# Altium PCB Calipso V2.0 REV2.0 (new origin).PcbDoc (part 2 of 5)
Units mm, origin at the board's own origin, x right, y up, seen from the top; angles counter-clockwise.
Board outline 192.5 x 156.5 mm, 2 copper layers (Top Layer, Bottom Layer); 458 components, 353 nets, 1610 pads, 1543 vias.
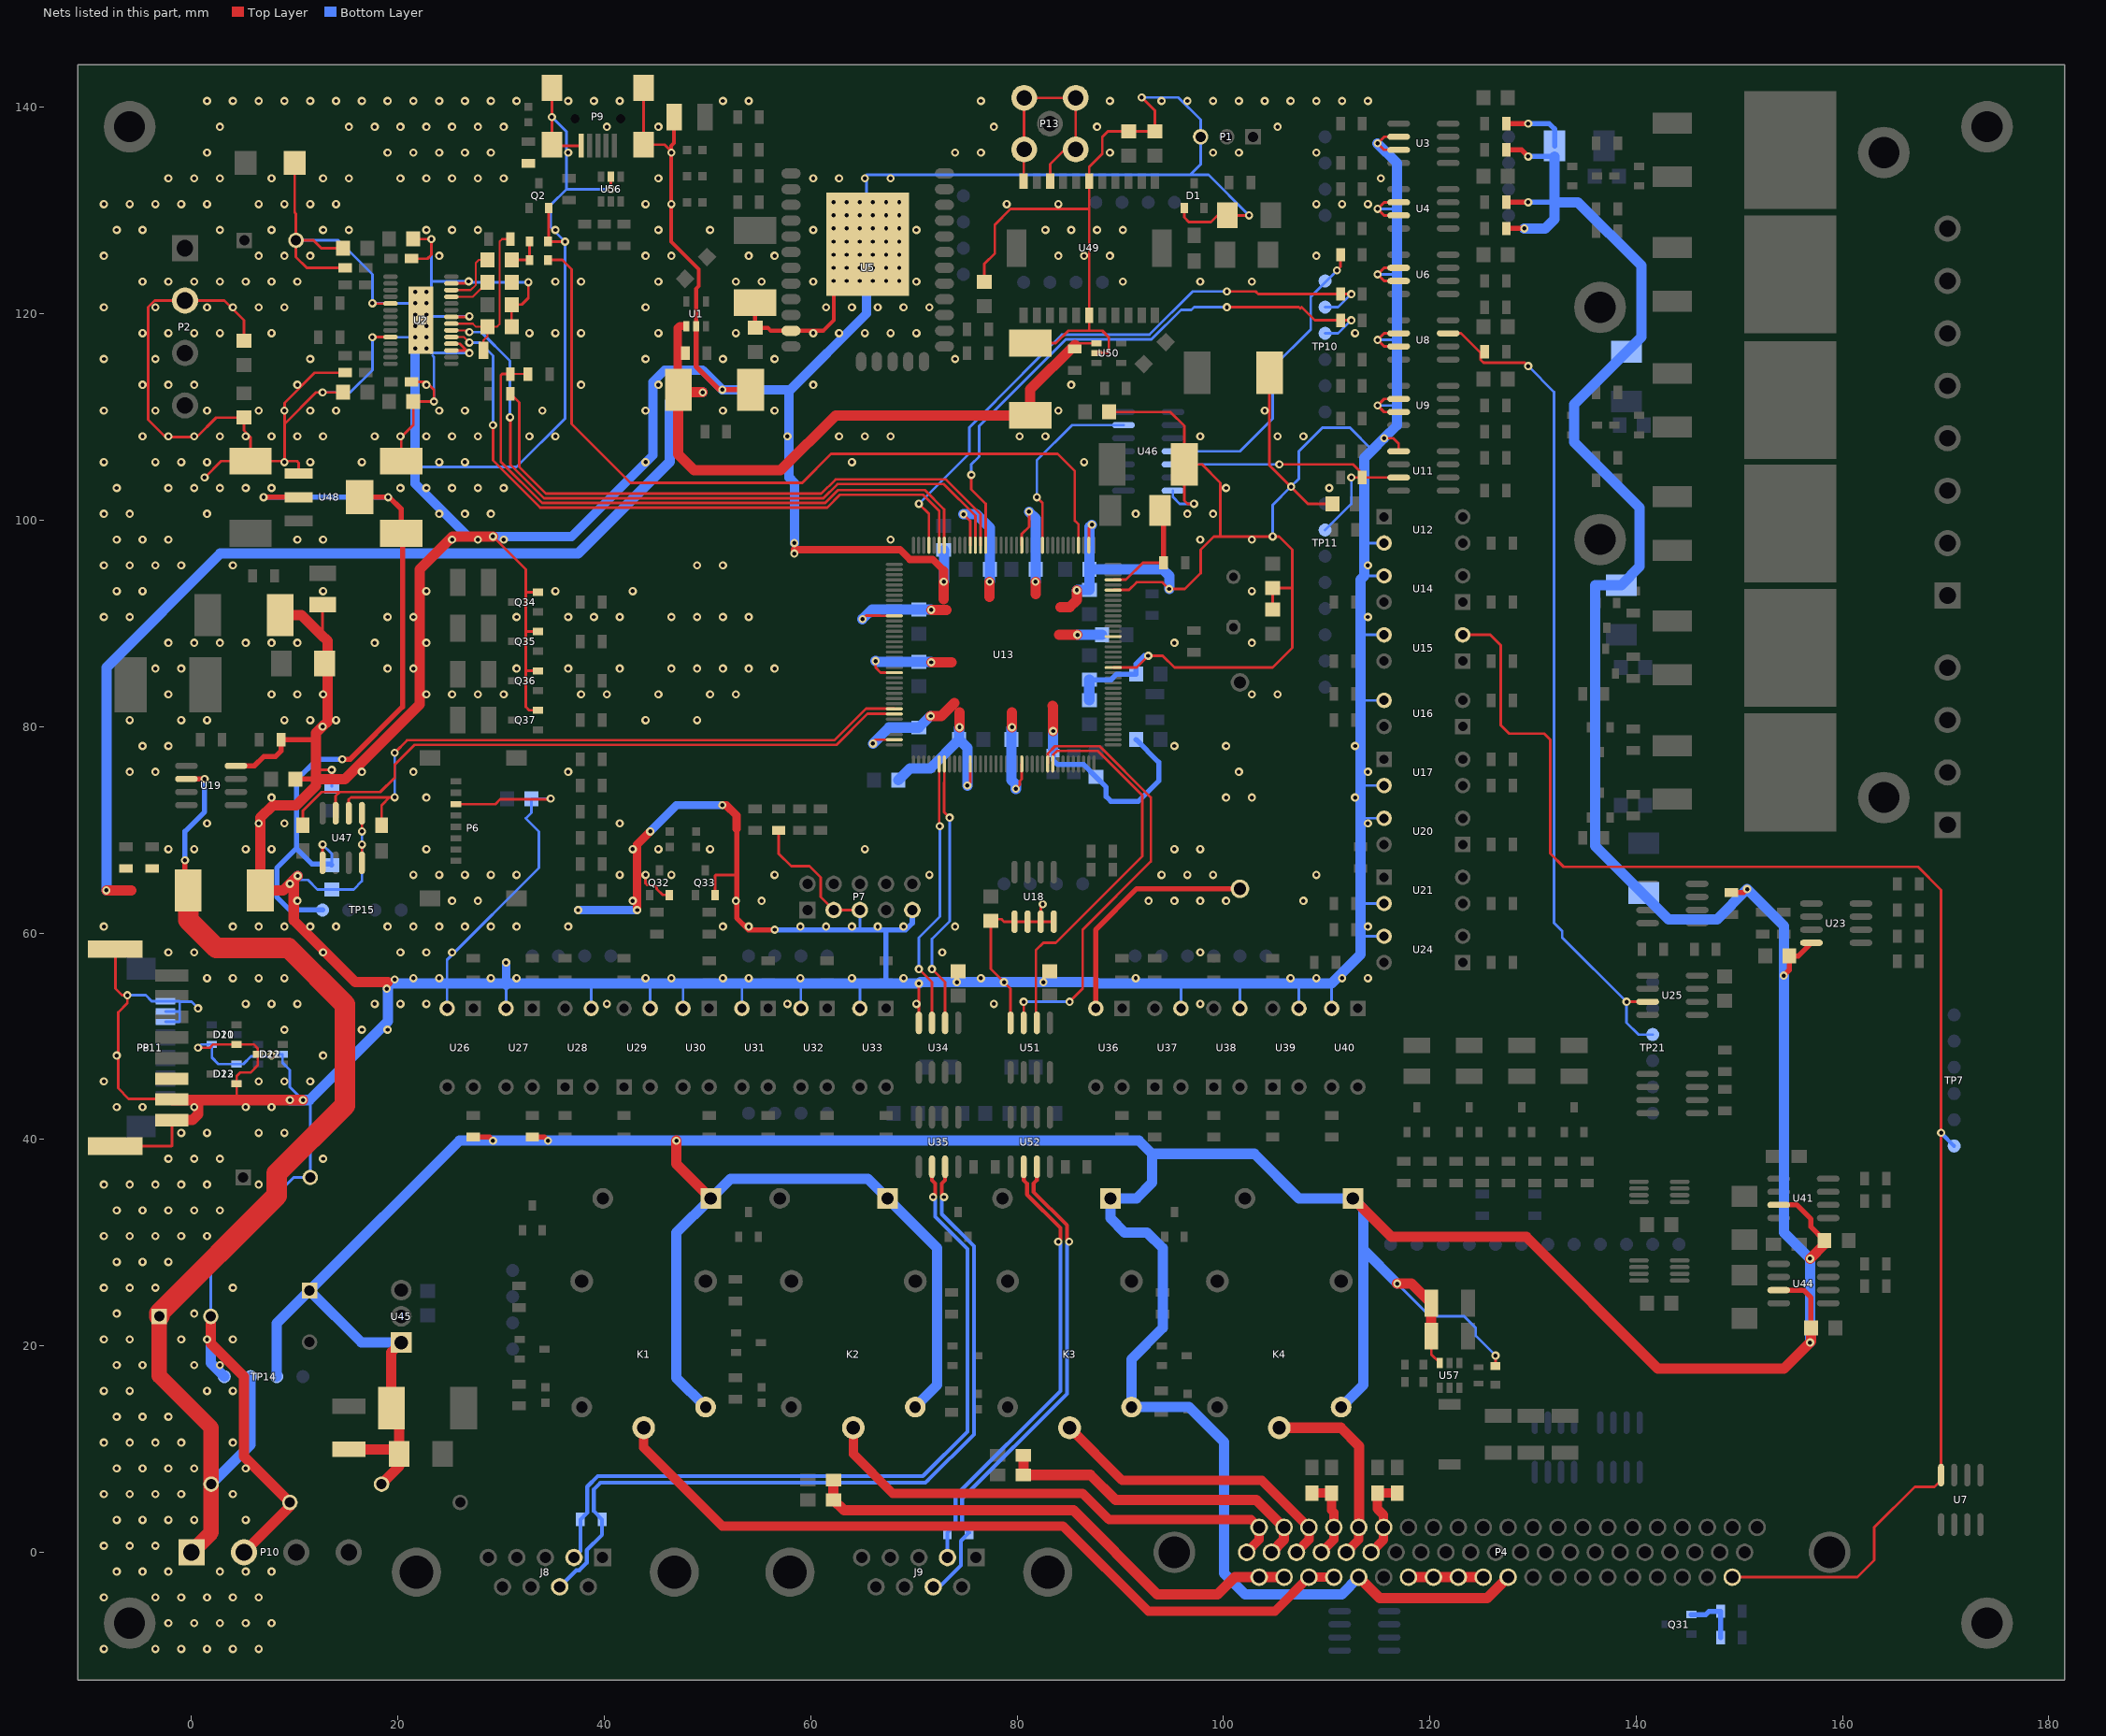
[diagram p2: the nets of this part, all layers, seen from the top]

## Part data
BOOT1 GPS1 R107 R163 R164 R165 WIFI1: "Chip resistor"
C1 C4 C6 C7 C8 C10 C11 C12 C13 C14 C15 C16 C17 C20 C21 C23 C24 C25 C26 C27 C29 C30 C31 C32 C33 C35 C36 C37 C38 C42 C43 C44 C45 C46 C47 C48 C49 C50 C51 C52 C53 C54 C55 C56 C57 C58 C59 C60 C61 C62 C63 C68 C69 C70 C71 C72 C73 C74 C75 C76 C77 C78 C79 C80: "Surface-mount ceramic multilayer capacitor"
C2 C5 C19 C22 C28 C41 C64 C65 C66 C67: library part "Cap Pol Chip", "Polarized Capacitor (Radial)"
C3: "Polarized Capacitor (Radial) Very low impedance"
C9 C18: library part "ChipCap 0.47uF X7R", "Surface-mount ceramic multilayer capacitor"
C34 C39 C40: "Polarized Capacitor (Radial)"
C81 C82 C83 C84: library part "ChipCap 1000 X7R", "Surface-mount ceramic multilayer capacitor"
C85: library part "ChipCap 0.1uF X7R", "Surface-mount ceramic multilayer capacitor"
C86 C87: library part "ChipCap 10uF X7R", "Surface-mount ceramic multilayer capacitor"
C88 C89 C90: library part "ChipCap 22uF X7R", "Surface-mount ceramic multilayer capacitor"
D1 D10 D12 D21 D23: "Small signal schottky dual diode"
D2: "Transient Voltage Suppressor 600W bi-directional"
D4 D13 D14 D20: "Transient Voltage Suppressor 600W uni-directional"
D6 D9: "Schottky diode"
D11 D22: "Low capacitance bidirectional double ESD protection diode"
D15 D16 D17 D18: "1 Amp General Purpose Rectifier"
F2: library part "Fuse PTC1812", "Fuse PTC 1812 Thermoresistor"
FB1 FB2: library part "Ferrite Bead"
J8 J9: "Receptacle Assembly, 9 Position, Right Angle"
K1 K2 K3 K4: library part "Relay G5LE", "Relay G5LE 10A Single Pole"
L1 L2 L4 L5 L6 L7 L8 L9 L10: library part ChipInductance
LED1 LED2 LED3 LED4 LED5 LED6 LED7 LED8 LED9 LED10 LED11 LED12 LED13 LED14 LED15 LINK1 PWR1 RUN1 "STM PWR 1" "WIFI PWR 1": library part LED0603
P1: library part "Header 3 latch", "Header 3 with latch"
P2 P5 P10: library part Socket_4x5.08_RA_2Wall, "Terminal Block Socket Right Angle 4x5.08mm 2-Wall"
P3: library part Socket_8x5.08_RA_2Wall, "Terminal Block Socket Right Angle 8x5.08mm 2-Wall"
P4: "Dsub 62 Mail"
P6: library part MicroSDHeader8
P9: library part miniUSB
P13: "SMB Straight Connector"
Q1 Q6 Q9 Q12 Q14 Q16: "HEXFET N-Channel Power MOSFET"
Q2: "SOT23 NPN Silicon Planar General Purpose Transistor"
Q4 Q10 Q15 Q18 Q23 Q24 Q25 Q26 Q27 Q28 Q29 Q30 Q32 Q33 Q34 Q35 Q36 Q37: "NPN transistor"
Q5 Q11 Q13 Q17 Q19 Q20 Q21 Q22 Q31: "PNP Transistor"
R1 R2 R3 R4 R5 R6 R7 R8 R9 R10 R11 R12 R13 R14 R15 R16 R17 R18 R19 R20 R21 R22 R23 R24 R25 R26 R27 R28 R29 R30 R31 R32 R33 R34 R35 R36 R37 R38 R39 R40 R41 R42 R43 R44 R45 R46 R47 R48 R49 R50 R51 R52 R53 R54 R55 R56 R57 R58 R59 R60 R61 R62 R63 R64 R65 R66 R67 R68 R69 R70 R71 R72 R73 R74 R75 R76 R77 R78 R79 R80 R81 R82 R83 R84 R85 R86 R87 R88 R89 R90 R91 R92 R93 R94 R95 R96 R97 R98 R99 R100 R101 R102 R103 R104 R105 R106 R108 R109 R110 R111 R112 R113 R114 R115 R116 R117 R118 R119 R120 R121 R122 R123 R124 R125 R126 R127 R128 R129 R130 R131 R132 R133 R134 R135 R136 R137 R138 R139 R140 R141 R142 R143 R144 R145 R146 R148 R149 R150 R151 R152 R153 R154 R155 R156 R157 R158 R159 R160 R161 R162 R166 R167 R168: "Think Film Chip resistor"
R147: library part "RES0805 100R 1%", "Think Film Chip resistor"
RU1 RU2: library part "Varistor S14K25", "varistor"
TP1 TP2 TP3 TP4 TP6 TP11 TP12 TP13 TP14 TP15 TP16 TP17 TP18 TP20: library part PG-1.5-13.5-4P-2.54PH
TP5 TP7 TP8 TP9 TP10 TP21: library part PG-1.5-13.5-6P-2.54PH
U1 U50: library part LM3671MF, "600-mA Step-Down DC-DC Converter"
U2: "25-W filter-free mono class-D audio power amplifier with speaker guard"
U3 U4 U6 U8 U9 U11: "2-channel opto-coupler"
U5: library part SPWF01, "Serial-to-Wi-Fi b/g/n intelligent module"
U7 U10 U53 U54: "Transil Array for ESD protection"
U12 U14 U15 U16 U17 U20 U21 U24 U26 U27 U28 U29 U30 U31 U32 U33 U36 U37 U38 U39 U40: "4-Pin Phototransistor Optocoupler"
U13: library part STM32F407ZGT6, "ST Microcontroller ARM 32-bit Cortex M4"
U18: "256 Kbit I2C EEPROM"
U19: "DC/DC converter control circuit"
U22: "Adjustable Precision Shunt Regulator"
U23: "Dual Operational Amplifier"
U25 U55: library part TLC6515, "10-bit analog to digiyal converter"
U34 U47 U51: library part HCPL-0931-000E, "2-bit bi-direction optoisolated buffer"
U35 U52: library part MCP2551-I/SN, "CAN Transceiver"
U41 U44: "Operational Amplifier"
U42 U43: "SAR 12-bit Analog-to-Digital  (A/D)"
U45: "Linear voltage regulator 1A"
U46: "Hex Inverter"
U48: "Power Mgt Voltage Regulator"
U49: library part ML8088, "GPS Receiver"
U56: "Protection 6V 10A"
U57: "3A Synchronous Step-Down Voltage Regulator"
X1: library part "Crystall oscillator", "Quartz crystall oscillator"
X2: library part KX-327NHT, "Quartz crystal oscillator 32.768kHz"

## Free pads (board coordinates)
  round 5 hole 3: H(-6,-6.87) H(-6,138.13) H(136.5,98.13) H(136.5,120.63) H(164,73.13) H(164,135.63) H(174,-6.87) H(174,138.13)

## Via types
v1: diameter 0.8, hole 0.4, Top Layer to Bottom Layer, tented both sides, 1527 vias
v2: diameter 0.8, hole 0.4, Top Layer to Bottom Layer, 12 vias
v3: diameter 1.5, hole 1, Top Layer to Bottom Layer, 2 vias
v4: diameter 3, hole 2, Top Layer to Bottom Layer, 2 vias

## Nets (pads, with @x,y where several pads share a name; then routed paths per layer and width w, separated by ;. In a path a pad name is that pad's centre, name@x,y a point inside that pad or via, vN(x,y) a via of type N, cw(c..) or ccw(c..) an arc to the next point about the centre after c; other vN are vias at no path point)
0: P13.2 U49.20 U49.22 | length 22.8
  Top Layer w0.254: U49.22@80.645,133.119 80.645,136.144 80.685,136.184 P13.2@80.685,141.184 ; P13.2@80.685,140.93 P13.2@85.685,140.93 P13.2@85.685,135.93 84.622,135.93 83.208,134.516 U49.20@83.208,132.865
5V: C2.1 C28.1 C39.1 C66.1 P10.1 R1.2 R70.1 R71.1 R141.2 RU1.2 TP14.3 U1.1 U19.6 U50.1 | length 268.3
  Top Layer w0.254: 85.758,117.155 U50.1@87.7,117.155
  Top Layer w0.381: 47.625,118.815 U1.1@47.945,118.815
  Top Layer w0.5: U19.6@-0.895,74.93 v1(1.27,74.93) ; v1(-0.635,67.056) -0.635,64.445 C28.1@-0.325,64.135
  Top Layer w0.8: C2.1@47.12,114.427 47.12,118.621 47.314,118.815 47.625,118.815
  Top Layer w1: v1(-8.255,64.135) -5.842,64.135 ; v1(49.53,112.395) 47.427,112.395 C2.1@47.173,112.649 47.173,106.37 48.704,104.838 57.087,104.838 62.413,110.165 C66.1@81.28,110.165 81.28,112.677 R141.2@85.598,116.995
  Top Layer w1.5: C39.1@-3.135,22.86 -3.135,17.105 1.905,12.065 RU1.2@1.905,6.604 1.905,1.905 P10.1@0,0
  Top Layer w2: C39.1@-3.135,22.86 -3.135,23.154 8.255,34.544 8.255,36.703 14.859,43.307 14.859,53.086 9.398,58.547 2.413,58.547 -0.325,61.285 C28.1@-0.325,64.135
  Bottom Layer w0.5: v1(-0.635,67.056) -0.635,69.85 1.27,71.755 v1(1.27,74.93)
  Bottom Layer w1: v1(-8.255,64.135) -8.255,85.725 2.794,96.774 37.465,96.774 46.355,105.664 46.355,111.506 47.244,112.395 v1(49.53,112.395) ; RU1.2@1.905,6.604 5.715,10.414 TP14.3@5.715,17.018
12V: C32.2 C36.1 C38.1 C40.1 C41.1 C86.1 C87.1 D15.2 D16.2 D17.2 D18.2 D20.1 F2.1 K1.5 K2.5 K3.5 K4.5 L6.1 L7.2 L8.2 L9.2 P4.47 P4.53 R3.1 R5.2 R14.2 R17.1 R77.2 R106.2 R107.2 R166.2 RU2.2 TP14.2 U23.8 U41.7 U44.7 U45.1 U57.3 | length 603.5
  Top Layer w0.254: C87.1@120.145,20.955 120.145,19.17 U57.3@120.97,18.345 ; R166.2@126.365,18.045 v1(126.365,19.05)
  Top Layer w0.5: R106.2@27.305,40.225 28.864,40.225 v1(29.211,39.878) ; R107.2@33.021,40.225 34.198,40.225 v1(34.545,39.878) ; R17.1@127.79,128.27 v1(129.159,128.27) ; R14.2@127.79,130.81 v1(129.54,130.81) ; R5.2@127.79,135.89 128.905,135.89 v1(129.54,135.255) ; R3.1@127.79,138.43 v1(129.54,138.43) ; R77.2@149.225,63.915 150.402,63.915 v1(150.749,64.262) ; U44.7@153.81,25.4 156.21,25.4 156.94,24.67 C38.1@156.94,22.225 ; U41.7@153.81,33.655 155.575,33.655 156.94,32.29 156.94,31.528 C36.1@158.242,30.226 ; v1(154.305,55.88) 154.845,56.42 C32.2@154.845,57.785 155.715,57.785 U23.8@156.985,59.055
  Top Layer w1: F2.1@15.24,9.965 19.685,9.965 D20.1@20.125,9.525 ; RU2.2@18.415,6.604 20.125,8.314 D20.1@20.125,9.525 ; U45.1@20.32,20.32 19.36,19.36 C41.1@19.36,13.97 20.125,13.205 D20.1@20.125,9.525 ; v1(46.991,39.878) 46.991,37.614 D15.2@50.315,34.29 ; D18.2@112.545,34.29 116.285,30.55 129.343,30.55 142.113,17.78 154.305,17.78 v1(156.845,20.32) 156.94,20.415 C38.1@156.94,21.717 ; P4.47@113.112,-2.413 115.144,-4.445 125.558,-4.445 P4.53@127.59,-2.413 ; v1(116.84,26.035) 118.24,26.035 C86.1@120.145,24.13 C87.1@120.145,20.955 ; v1(156.845,28.448) 158.242,29.845 C36.1@158.242,30.226
  Bottom Layer w0.254: v1(116.84,26.035) 120.015,22.86 123.317,22.86 124.46,21.717 124.46,20.955 v1(126.365,19.05)
  Bottom Layer w0.5: v1(129.54,130.81) 132.08,130.81 ; v1(129.54,135.255) L6.1@132.08,135.255 ; v1(129.54,138.43) 131.572,138.43 132.088,137.914 L6.1@132.088,136.271
  Bottom Layer w1: TP14.2@8.255,17.018 8.255,22.185 C40.1@11.43,25.36 ; U45.1@20.32,20.32 16.47,20.32 C40.1@11.43,25.36 ; K1.5@49.815,14.065 46.99,16.89 46.99,30.965 D15.2@50.315,34.29 52.22,36.195 65.555,36.195 D16.2@67.46,34.29 72.263,29.487 72.263,16.193 K2.5@70.135,14.065 ; K4.5@111.41,14.065 113.538,16.193 113.538,29.337 ; P4.47@113.112,-2.413 111.461,-4.064 102.108,-4.064 100.076,-2.032 100.076,10.668 96.679,14.065 K3.5@91.09,14.065 91.09,18.7 94.107,21.717 94.107,29.464 92.583,30.988 90.424,30.988 89.05,32.362 D17.2@89.05,34.29 91.567,34.29 93.091,35.814 93.091,38.608 ; v1(116.84,26.035) 113.538,29.337 ; v1(129.159,128.27) 131.191,128.27 132.08,129.159 132.08,130.81 ; L6.1@132.08,135.255 132.08,130.81 ; v1(156.845,20.32) v1(156.845,28.448) 154.305,30.988 v1(154.305,55.88) 154.305,60.706 v1(150.749,64.262) 147.828,61.341 143.129,61.341 136.017,68.453 136.017,84.328 136.012,84.333 136.012,93.726 138.549,93.726 140.335,95.512 140.335,101.219 133.985,107.569 133.985,111.244 L7.2@139.065,116.324 140.5,117.759 140.5,124.676 134.366,130.81 132.08,130.81 ; C40.1@11.43,25.36 25.948,39.878 v1(34.545,39.878) v1(46.991,39.878) 91.821,39.878 93.091,38.608 ; 93.091,38.608 102.997,38.608 107.315,34.29 D18.2@112.545,34.29 113.538,33.297 113.538,29.337
15V: P4.49 P4.50 P4.51 P4.52 | length 7.2
  Top Layer w1: P4.49@117.938,-2.413 P4.50@120.351,-2.413 P4.51@122.764,-2.413 P4.52@125.177,-2.413
+3V3: R161.1
+5DV: C25.2 C65.1 TP15.1 U47.1 U48.2 U48.4 | length 77.7
  Top Layer w0.254: U47.1@12.7,66.815 v1(12.7,68.58)
  Top Layer w0.5: v1(6.985,102.235) U48.2@10.385,102.235 ; v1(14.605,76.835) 15.367,76.835 20.447,81.915 C65.1@20.447,98.735 ; U48.4@16.285,102.235 v1(19.05,102.235) 19.177,102.235 20.32,101.092 C65.1@20.32,98.735
  Bottom Layer w0.254: v1(12.7,68.58) 13.589,67.691 C25.2@13.589,66.58
  Bottom Layer w0.5: v1(6.985,102.235) v1(19.05,102.235) ; TP15.1@12.7,62.23 9.525,62.23 8.255,63.5 8.255,66.294 10.16,68.199 ; C25.2@13.589,66.58 13.494,66.675 11.684,66.675 10.16,68.199 ; v1(14.605,76.835) 12.192,76.835 10.16,74.803 10.16,68.199
ADC_MISO: R35.1 TP11.2 U11.7 U46.5 | length 29.6
  Top Layer w0.254: v1(105.41,105.41) 112.55,105.41 113.82,104.14 U11.7@116.98,104.14 ; v1(112.395,104.14) R35.1@113.445,104.14
  Bottom Layer w0.254: U46.5@95.11,105.41 v1(105.41,105.41) ; TP11.2@109.855,99.06 112.395,101.6 v1(112.395,104.14)
ADC_PRESSURE: U13.22
AGND: "STM PWR 1.1" "WIFI PWR 1.1" C2.2 C3.2 C5.2 C6.2 C10.1 C12.1 C13.1 C15.2 C16.2 C17.1 C19.2 C20.2 C21.2 C22.2 C23.1 C24.1 C25.1 C26.1 C27.1 C28.2 C34.2 C39.2 C44.2 C45.1 C46.1 C47.1 C48.1 C49.1 C50.2 C51.1 C52.1 C54.1 C55.1 C56.1 C57.1 C58.1 C59.2 C60.2 C63.1 C64.2 C65.2 C66.2 C67.2 C68.1 C69.1 C70.1 C71.1 C72.1 C76.2 C77.1 C78.1 C79.1 C80.1 C81.1 C82.1 C83.1 C84.1 D1.1 D2.1 D4.2 D9.1 D10.1 D11.3 D12.1 D21.1 D22.3 D23.1 P1.3 P2.2 P6.3 P7.3 P7.5 P7.9 P8.7 P8.8 P8.9 P8.10 P9.5 P9.6 P9.7 P9.8 P9.9 P10.2 P11.8 P11.9 P11.10 P12.1 Q2.2 Q32.2 Q33.2 Q34.2 Q35.2 Q36.2 Q37.2 R56.1 R64.1 R153.1 R160.2 RU1.1 TP14.4 U1.2 U2.3 U2.4 U2.8 U2.13 U2.19 U2.24 U2.29 U3.2 U3.3 U4.2 U4.3 U5.23 U5.25 U6.2 U6.3 U8.2 U8.3 U9.2 U9.3 U11.5 U12.2 U13.16 U13.31 U13.38 U13.51 U13.61 U13.83 U13.94 U13.107 U13.120 U13.130 U14.3 U15.3 U16.3 U17.2 U18.1 U18.2 U18.3 U18.4 U19.4 U20.3 U21.2 U24.3 U26.2 U27.2 U28.3 U29.3 U30.2 U31.2 U32.2 U33.2 U34.4 U36.2 U37.3 U38.3 U39.3 U40.2 U46.7 U47.4 U47.5 U48.1 U49.6 U49.17 U50.2 U51.4 U56.2 | length 1535
  Top Layer w0.254: P8.10@-7.385,39.345 -1.93,39.345 -1.905,39.37 P8.8@-1.905,41.88 ; P8.9@-7.385,58.445 -7.385,54.629 -6.731,53.975 v1(-6.223,53.975) -6.223,53.212 -7.112,52.323 -7.112,44.963 -6.091,43.942 -1.967,43.942 P8.7@-1.905,43.88 ; v1(0.635,48.895) 1.778,48.895 2.098,49.215 6.03,49.215 6.42,48.825 D11.3@6.42,48.26 6.42,47.187 5.715,46.482 4.699,46.482 4.375,46.158 D12.1@4.375,45.405 4.375,43.872 4.318,43.815 ; v1(0.635,52.705) v1@0.877,52.705 ; v1(1.27,104.14) 2.865,105.735 C64.2@5.715,105.735 ; C15.2@5.08,117.38 5.08,119.38 3.175,121.285 P2.2@-0.635,121.285 -3.556,121.285 -4.191,120.65 -4.191,109.728 -2.54,108.077 0.508,108.077 2.381,109.95 C20.2@5.08,109.95 5.08,108.712 5.715,108.077 C64.2@5.715,105.735 ; D2.1@9.995,134.62 9.995,129.832 10.12,129.707 C3.2@10.12,127.127 ; U48.1@10.385,104.535 10.385,105.566 10.216,105.735 v1@9.017,105.735 ; 12.065,75.819 v1(13.589,75.819) ; 12.573,88.9 12.573,89.027 12.7,89.154 12.7,91.845 ; C79.1@14.7,112.395 v1(12.7,112.395) 12.065,112.395 9.017,109.347 ; C77.1@14.7,126.365 12.573,126.365 11.811,127.127 C3.2@10.12,127.127 ; C83.1@14.875,114.3 11.938,114.3 9.017,111.379 9.017,109.347 ; C82.1@14.875,124.46 11.176,124.46 10.12,125.516 C3.2@10.12,127.127 ; U47.4@16.51,66.815 v1(16.51,68.58) ; v1(16.51,69.85) U47.5@16.51,71.615 ; v1(17.526,117.729) 17.552,117.755 U2.24@19.275,117.755 ; v1(17.526,121.031) 17.552,121.005 U2.19@19.275,121.005 ; C65.2@20.32,105.735 20.32,108.077 21.495,109.252 C80.1@21.495,111.506 v1(23.495,111.506) 23.495,112.649 22.733,113.411 C84.1@21.32,113.411 ; C81.1@21.32,125.349 22.86,125.349 23.241,125.73 v1(23.241,127.254) C78.1@21.495,127.254 ; U2.3@25.175,116.455 v1@26.674,116.455 ; U2.4@25.175,117.105 26.012,117.105 26.623,116.494 26.635,116.494 v1@26.674,116.455 ; U2.8@25.175,119.705 26.853,119.705 26.924,119.634 v1(26.924,119.761) ; U2.13@25.175,122.955 v1@26.689,122.955 ; P6.3@25.626,72.492 29.432,72.492 29.911,72.971 34.871,72.971 34.817,73.025 v1(34.798,73.025) ; v1(26.924,116.205) v1@26.674,116.455 ; v1(29.21,98.425) 32.385,95.25 32.385,93.091 ; C63.1@31.02,118.745 C76.2@31.02,120.904 32.004,120.904 32.639,121.539 v1(32.639,123.063) ; Q37.2@33.585,81.595 32.705,81.595 32.385,81.915 32.385,85.471 ; Q36.2@33.585,85.405 32.451,85.405 32.385,85.471 ; Q35.2@33.585,89.215 32.446,89.215 32.385,89.154 ; Q34.2@33.585,93.025 32.451,93.025 32.385,93.091 ; Q2.2@34.605,130.245 34.605,127.05 R160.2@34.555,127 v1(36.195,127) ; P9.7@34.92,141.895 P9.6@34.92,136.395 35.02,136.295 P9.5@37.77,136.295 ; v1(40.64,132.08) U56.2@40.64,133.28 ; 43.18,65.659 43.209,65.63 v1(44,65.63) 44,64.839 44.196,64.643 44.863,64.643 45.066,64.44 45.066,64.281 45.65,63.697 Q32.2@46.289,63.697 ; P9.9@43.82,141.895 P9.8@43.82,136.395 45.85,136.395 v1@46.482,135.763 ; Q33.2@50.734,63.697 50.734,65.593 50.771,65.63 52.803,65.63 52.803,65.561 ; R64.1@56.896,69.943 56.896,67.691 58.112,66.475 59.883,66.475 60.96,65.398 60.96,63.5 P7.3@62.23,62.23 P7.5@64.77,62.23 ; v1(65.024,90.424) 65.37,90.77 66.722,90.77 66.747,90.745 U13.83@68.14,90.745 ; v1(66.04,78.359) 66.04,78.486 66.299,78.745 U13.107@68.14,78.745 ; v1(66.294,86.36) 66.294,85.725 66.774,85.245 U13.94@68.14,85.245 ; U34.4@70.486,51.295 v1(70.486,55.118) ; v1(74.168,55.245) 74.168,56.166 C27.1@74.295,56.293 ; v1(74.803,100.584) 75.459,99.928 U13.61@75.459,97.583 ; v1(75.184,74.295) 75.459,74.57 U13.120@75.459,76.383 ; U13.61@75.467,97.572 U13.61@75.468,97.574 ; C16.2@76.835,123.095 76.835,124.841 77.851,125.857 77.851,128.651 79.375,130.175 86.995,130.175 ; U51.4@79.375,51.295 79.375,54.61 v1(78.74,55.245) 77.47,56.515 C12.1@77.47,61.182 77.629,61.341 78.486,61.341 78.727,61.1 U18.1@79.756,61.1 U18.2@81.026,61.1 U18.3@82.296,61.1 ; v1(79.883,73.979) 80.264,74.36 80.264,74.721 80.459,74.916 U13.130@80.459,76.383 ; U13.51@80.459,97.583 80.459,98.664 81.168,99.373 81.168,100.823 v1(81.153,100.838) ; C66.2@81.28,117.165 83.764,117.165 84.963,118.364 86.995,118.364 ; v1(82.486,62.801) 82.296,62.611 U18.3@82.296,61.1 ; v1(82.55,55.245) C72.1@82.55,56.293 ; U18.4@83.566,61.1 U18.3@82.296,61.1 ; U13.38@86.959,97.583 86.959,99.278 v1(87.249,99.568) ; U50.2@87.7,116.205 88.773,116.205 88.9,116.332 88.9,117.729 88.265,118.364 86.995,118.364 ; C17.1@88.932,110.49 94.869,110.49 96.21,109.149 C19.2@96.21,105.41 ; U13.16@89.34,85.745 91.587,85.745 v1(92.71,86.868) 94.107,86.868 95.25,85.725 104.775,85.725 106.68,87.63 106.68,93.345 ; U13.31@89.34,93.245 90.846,93.245 91.596,93.995 94.092,93.995 v1(94.742,93.345) 96.266,93.345 97.79,94.869 97.79,97.155 99.06,98.425 99.695,98.425 ; v1(92.075,140.97) 93.345,139.7 C69.1@93.345,137.7 C68.1@90.805,137.7 88.805,137.7 88.265,137.16 88.265,135.509 86.995,134.239 U49.17@86.995,132.865 86.995,130.175 ; D1.1@96.205,130.245 96.205,129.347 96.647,128.905 98.806,128.905 99.441,129.54 D4.2@100.389,129.54 v1(102.489,129.54) ; v1(97.155,101.6) 96.52,101.6 96.21,101.91 C19.2@96.21,105.41 ; C67.2@104.465,114.3 104.465,105.327 108.192,101.6 C21.2@110.585,101.6 ; C24.1@104.775,91.345 C23.1@104.775,93.44 106.585,93.44 106.68,93.345 ; v1(115.57,107.95) 116.459,107.95 116.98,107.429 U11.5@116.98,106.68 ; U9.3@116.98,110.49 115.57,110.49 v1(114.935,111.125) 115.57,111.76 U9.2@116.98,111.76 ; U8.3@116.98,116.84 115.57,116.84 v1(114.935,117.475) 115.57,118.11 U8.2@116.98,118.11 ; U6.3@116.98,123.19 115.57,123.19 v1(114.935,123.825) 115.57,124.46 U6.2@116.98,124.46 ; U4.3@116.98,129.54 115.57,129.54 v1(114.935,130.175) 115.57,130.81 U4.2@116.98,130.81 ; U3.3@116.98,135.89 115.57,135.89 v1(114.935,136.525) 115.57,137.16 U3.2@116.98,137.16 ; C64.2@5.715,105.735 v1@9.017,105.735 ; v1@9.017,105.735 9.017,109.347 ; 32.385,85.471 32.385,89.154 ; 32.385,89.154 32.385,93.091 ; 86.995,118.364 U49.6@86.995,119.865 86.995,130.175 ; C19.2@96.21,105.41 97.917,105.41 99.695,103.632 99.695,98.425 ; 99.695,98.425 v1(104.775,98.425) 105.41,98.425 106.68,97.155 106.68,93.345